# EAGLE board Mk4 Final a Panel score 2x5 (EAGLE 9.0.1), part 14 of 29
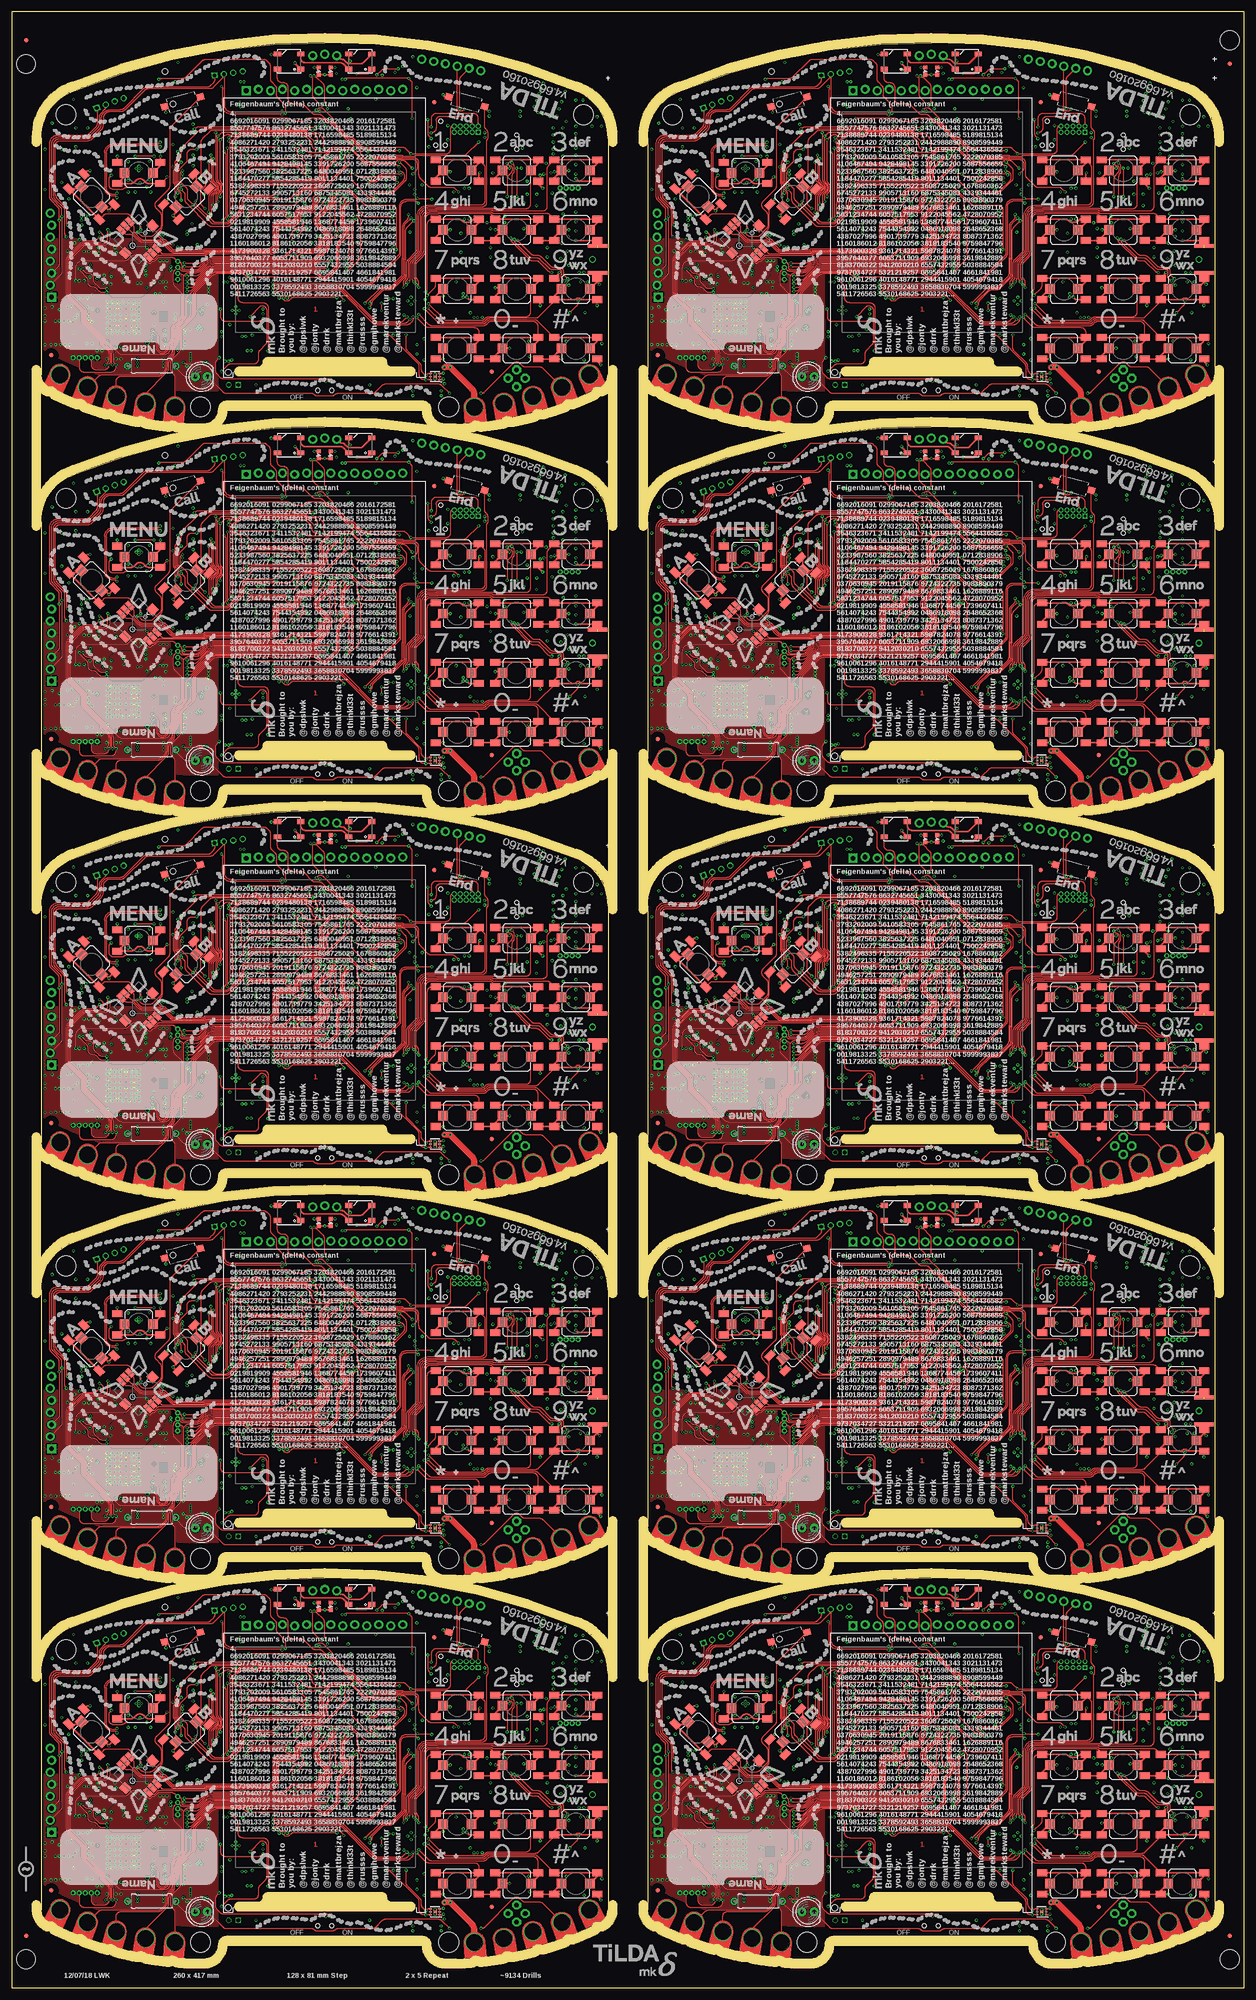
[diagram p0: board, top side]
## Tracks (layer width: path | path; a pad name or v marks a point on that pad's centre or on a via) (continued)
GND1  (via drill 0.3)  (1 unrouted) (continued)
  pour GND@3 (isolate 0.254, rank 6): 134.2,68.5 134.2,15 arc31 166,6 168.7,6 arc90 171.5,8.8 arc-90 173.5,10.8 214.5,10.8 arc-90 216.5,8.8 arc90 219.3,6 222,6 arc31 253.8,15 253.8,38.5 247.5,38.5 247.5,68.5 253.8,68.5 arc64 247.25,76.25 arc24 194,86.5 arc24 140.75,76.25 arc55
  pour Bottom (rank 6): 201.25,42.9 201.25,44.25 201,44.5 191,44.5 190.75,44.25 190.75,42.9
  pour Bottom (isolate 0.254, rank 6): 134.2,68.5 134.2,22 arc9 145,17 145,29 147,29 147,35 145,35 145,37 arc90 144,38 143,38 arc-90 142,39 142,59.71 arc-90 154.79,72.5 162.5,72.5 166,76 224.5,75.5 arc-90 227,73 227,38.5 238.09,38.5 arc-45 238.79,38.21 241.21,35.79 arc45 241.91,35.5 253.8,35.5 253.8,38.5 247.5,38.5 247.5,68.5 253.8,68.5 arc64 247.25,76.25 arc24 194,86.5 arc24 140.75,76.25 arc55
  pour Bottom (rank 2, no thermals): 235.5,39 237,39 237,36.5 236.41,36.5 arc45 235.71,36.21 235.29,35.79 arc45 235,35.09 235,33 arc-90 234,32 223.5,32 arc-90 222.5,33 arc-90 223.5,34 231.75,34 arc90 232.75,35 232.75,35.09 arc-45 233.04,35.79 233.71,36.46 arc-45 234.41,36.75 234.59,36.75 arc45 235.29,37.04 235.5,37.25
  pour Bottom (no thermals): 185.5,45.5 185.5,44.2 185.3,44 185.2,44 185,44.2 185,45.25 184.5,45.75 184.5,47.3 184.7,47.5 185.05,47.5 185.25,47.3 185.25,45.75
  pour Bottom: 157.55,54.95 157.55,60.95 arc90 156.55,61.95 153.05,61.95 arc90 152.05,60.95 152.05,54.95 arc90 153.05,53.95 156.55,53.95 arc90
  pour Bottom (no thermals): 171.4,33 171.4,34.1 171.2,34.3 171.2,35.05 171,35.25 169.75,35.25 169.25,34.75 169.25,33.25 169.5,33
  pour Bottom (no thermals): 165.9,20.8 165.9,18.3 arc-90 165.4,17.8 164.45,17.8 arc-90 163.95,18.3 163.95,25.65 arc-90 164.45,26.15 165.55,26.15 arc-90 166.05,25.65 166.05,22.1 arc90 166.55,21.6 167.8,21.6 167.85,21.55 167.85,20.9 167.75,20.8
  pour Top (rank 6): 134.2,45 134.2,22 arc34 171,13 171.5,13 171.5,45
GND2  (via drill 0.3)  (1 unrouted)
  Top 0.15: IC52.3 90.3,97.65 90.25,97.6 IC52.2 | v89.3,96.5 IC52.PAD v89.3,97.5
  Top 0.2: 90.3,97.65 90.95,97.65 v91.05,97.75
  Top 0.3: S49.1 101.95,113.95 S49.A1 | S45.A1 89.45,113.95 S45.1 v91,114 | S46.A1 89.45,101 89.7,100.75 v91,100.75 S46.1 | S54.1 114.45,101.45 S54.A1 | S53.1 123.55,117.05 S53.A1 | 114.45,138.5 114.45,138.95 S51.1 v117.5,140.5 | 114.45,138.5 S51.A1 | S47.A1 101.95,138.95 S47.1 104,141 v105,141 | S43.A1 89.45,138.95 S43.1 92.25,140.5 v92.5,140.25 | S44.A1 89.45,126.45 S44.1 v92.5,128 | 101.95,126 101.95,126.45 S48.1 v102.05,128 | 101.95,126 S48.A1 | S43.A2 98.55,139.8 v98.75,140 | 114.2,138.25 114.45,138.5 | S52.A2 v119,125.75 | v117.5,128 S52.1 114.45,126.45 S52.A1 S48.A2 | 98.5,113.3 S45.A2 96.5,113.25 v96,113.75 | S49.1 103,116 | S54.A2 123.5,100.75 123.5,100.25 v124.25,99.5 | S50.A2 S54.A1 | v105,103 S50.1 101.95,101.45 S50.A1 S46.A2 | S44.A2 101.7,125.75 101.95,126 | S59.1 91.49,156.01 v91,156.5 | LED15.C v66.03,160.75 LED16.C | LED13.3 55.95,165 v54.75,165 | S51.A2 119.91,138.25 arc-45 119.21,138.54 v119,138.75 | 21.61,133.39 S56.A1 20.5,132.26 v20.5,132 19.62,132.88 S56.1 | S56.A2 15.57,140.21 arc-45 16.28,140.5 v16.5,140.5 | S54.A1 v116,100.75 | S47.A2 111.05,137.7 v112,136.75 | S49.1 103.25,115.75 v102,115.75 | S49.A2 111.5,112.8 v111.5,112 | S57.A2 v22.25,143.5 | S57.1 31.35,141.55 S57.A1 v31.35,143.5 | S58.1 32.5,153.72 v32.5,152.75 | S55.A1 34.81,130.19 v34,131 34.68,131.68 S55.1 | v40.5,135.5 41.61,136.61 S55.A2 | LED14.3 71.05,164.36 arc45 71.34,163.66 v71.4,163.6 | S53.A2 115.5,118.8 v115.5,119 | S53.A1 123.55,116.95 v124,116.5 | S53.A1 123.53,117.77 J29.G@4
  Top 0.4: S52.A2 123.53,125.73 J29.G@3
  GND@3 0.4: v28.45,115.85 25.8,113.2 v25.8,112.85 | v23.5,118.5 22.75,117.75 22.75,113.6 v23.5,112.85 | v21,118.1 21.75,117.35 21.75,113.4 v22.3,112.85
  Bottom 0.15: J21.32 62.75,125.25 | J21.31 63.25,125 | J21.30 63.75,125 | J21.29 64.25,125 | J21.28 64.75,125 | J21.27 65.25,125 | J21.26 65.75,125 | J21.25 66.25,125 | J21.24 66.75,125 | J21.23 67.25,125 | J21.22 67.75,125 | J21.21 68.25,125 | J21.20 68.75,125 | J21.19 69.25,125 | J21.18 69.75,125 | J21.17 70.25,125 | J21.16 70.75,125 | J21.15 71.25,125 | J21.14 71.75,125 | J21.13 72.25,125 | J21.12 72.75,125 | J21.11 73.25,125 | IC38.58 v59.6,143.8 | IC38.55 v59.6,142.6 | IC41.3 81.05,161 v80.85,161.2 | ANT6.3 112.79,158.9 v112.15,158.9 | v111.7,157.75 111.8,157.65 111.94,157.65 111.84,157.75 v111.7,157.75 | ANT6.2 112.05,157.4 v111.7,157.75 | ANT6.4 116.28,157.2 v116.75,157.2 | IC47.PAD v24.1,110.1 | IC47.PAD v22.9,110.1 | IC47.PAD v22.9,108.9 | IC47.PAD v24.1,108.9 | v22.9,111.3 23.5,111.9 v23.5,112.85 | v22.3,112.85 22.3,111.9 v21.7,111.3 21.75,111.35 | v25.3,111.3 25.3,112.35 v25.8,112.85 | v81.5,105.75 C318.2 82,106.5 arc90 82.5,107 82.5,107.5 arc90 82,108 IC50.2 81.46,108 arc45 81.1,107.85 80.9,107.65 arc-45 80.54,107.5 IC50.4 | C320.2 90.45,97.5 | v107.25,153 C269.2 | C272.2 v107.25,152 | C270.2 v100.75,153 | C268.2 v100.75,152 | v24.55,142.4 24.25,142.7 R233.2
  Bottom 0.2: C231.1 68.6,130.85 IC38.10 | IC38.17 65.8,131.01 arc-45 65.65,130.65 C230.1 v65.5,129.75 | IC38.48 57.46,139.8 arc-45 C228.1 | IC38.114 74.74,139.4 arc45 75.44,139.69 C227.1 | IC38.80 65.8,149.05 65.97,149.22 | X12.4 13.88,108.42 13.7,108.6 v12.9,108.6 | X12.2 15.73,104.08 v15.8,104 | IC49.23 81.8,113.75 arc-45 81.66,113.81 81.25,114.22 arc-90 81.25,114.25 | 81.25,114.25 v81.25,114.5 | IC49.24 81.25,114.25 | IC49.18 83,110.25 v82.75,110 | IC49.9 v87.25,113.25 | IC42.17 46.5,108.5 v46,108 IC42.18 | J24.GND4 117,103.05 | 90.45,97.5 arc45 v91.05,97.75 | v31.3,144.5 C322.2 | IC44.4 87.97,144.72 C287.1
  Bottom 0.25: J21.50 53.75,124.45 v54.25,124.95 | J21.49 v54.25,124.95 | J21.48 54.75,124.45 v54.25,124.95 | J21.43 57.25,125 | J21.6 v75.75,122.5 | v68,127.75 68,128.62 C232.1 68.25,129.12 C231.1 | v56,140.1 C228.1 | v76.25,139.75 C227.1 | v66,150 C229.1 65.97,149.22 | C226.1 C234.1 v67,151.45 | v55,144.25 R165.2 | C233.1 65.05,151.25 v65.65,150.65 | v75.5,95.25 S61.1 | v51.5,95.25 S62.1 | C237.1 v62.7,150 | C236.1 v58.1,150 | v71.5,151.45 C235.1 | R227.2 v25.25,102.75 | v27.35,140.95 IC46.PAD v26.8,140.5 | C252.2 38.88,102.22 | v85.45,158 C223.1 | v68.5,161 C221.1
  Bottom 0.3: 77.45,161.3 v78.15,160.6 | v32,114 R226.2 | v14.25,117.25 C295.1 | v16.5,118 16.62,117.88 C300.2 | v96.5,130.25 C278.2 | v95.5,130.25 C275.2 | v96.5,136.75 C274.2 | C276.2 v95.5,136.75 | IC39.8 100.1,129.65 v100.25,129.5 | R200.2 v94.75,127.25 | R192.2 v94.75,121.25 | R199.2 v94.75,123.25 | IC39.13 102.1,135.65 v102.25,135.5 | IC39.21 110.9,135.65 v110.75,135.5 | Q11.2 94.65,117.15 R190.2 v93.75,117 | C287.1 v88,145.5 | v92,147 91.91,147.09 JP19.5 | C280.1 v99.75,148.5 | IC45.7 93.19,136.81 R211.1 v93.25,136 | v101.5,140 C265.1 | v105,141 104.5,140.5 C264.1 | C263.1 v107.5,141 | J24.GND3 111.21,113.06 arc-45 111.5,112.36 v111.5,112 | 123.38,115.5 J24.GND2 123.5,115.59 arc-45 123.79,116.29 v124,116.5 | 124.17,113 J24.C4 123.79,112.74 arc45 123.5,112.04 v123.5,112 | v124.5,104 124.38,104 J24.GND1 | v109.25,101.25 R215.2 110.92,101.25 Q10.2 | C266.1 v120.75,100.5 | J24.C5 116.85,104.65 v117,104.5 117,103.05 | v109,104.5 109.23,104.27 110.25,104.27 J24.GND6 | C220.1 v76.25,134 | C225.1 v79,137.25 | C224.1 v79,138.5 | Q9.4 Q9.EP2 | C246.1 v51.5,129.25 | IC37.28 37.07,129.25 v38,129.25 | C242.1 v34,141.25 | IC37.46 38.2,143.7 v38.25,143.75 | C245.1 v34,146 | IC37.54 37.89,150.1 arc45 v38.25,150.25 | IC37.52 v38.25,148.5 | C244.1 v50.75,150.75 | C240.1 v51.5,148.5 | IC37.6 47.4,146.1 v47.25,146.25 | C241.1 v51.5,143.75 | C243.1 v51.5,139.75 | R175.1 v53,110.25 | R177.2 v53,111.25 | R179.2 48.15,116.5 arc45 v48.75,116.75 | v32,127 C261.1 | v32.75,127 32.75,126.5 C261.1 | v31.25,127 31.25,126.5 C261.1 | IC37.12 47.3,141.3 v47.25,141.25 | R219.2 v15.25,123.45 | R220.2 v16.25,123.45 | R207.2 v85,135.5 | v26.05,135.95 C293.2 | v108.75,135.5 108.7,135.55 IC39.19 108.7,138.2 v108.75,138.25
  Bottom 0.3: R217.2 35.95,102.5 v36.2,102.75 | IC49.25 v83.5,113 | v66.6,153.55 66.67,153.55 X10.4 | X10.2 70.83,153.55 v70.95,153.55 | v82.5,162.5 C238.1 | v84.6,164.5 R169.2 | C222.1 v76.75,155.5 | C279.1 v83.9,137.45 | J26.8 J26.4 | J28.8 J28.4 | IC37.41 36.05,139.7 v36,139.75 | J24.GND5 117.11,115.91 v117.5,116.3 116.94,116.3 arc-45 116.23,116.59 IC43.3 | IC39.33 113.3,121.95 v113,122.25 | v117.45,126.6 C281.1 | v116.7,121.5 D6.2 | v116.7,122.5 C282.1 | v11.75,111.75 C285.1 | v8.5,111.75 C286.1 | 32.55,117.8 C303.2 31.95,117.8 | IC53.2 v90.6,94 | C323.2 v84.6,93 | IC53.3 v90.6,93 | v113,124.25 113.1,124.15 IC39.31
  Bottom 0.35: v32.55,117 32.55,117.8 | v31.95,117 31.95,117.8
  Bottom 0.4: C305.2 28.1,115.5 v28.45,115.85 | v31.25,114.5 C299.2 | v32,112.75 C311.2 | C301.2 28.12,120.62 v28.25,120.5 | C301.2 v27.25,121.75 | v26,121.75 C302.2 C301.2 | C306.2 22.9,117.9 v23.5,118.5 23.4,118.4 | C304.2 v21,118.1 | v19.5,118.4 20.1,117.8 C298.2 | v34.5,109.25 C316.1 | v34.5,110.25 C317.1 | v32.25,105.75 C312.2 | C308.2 v30,108 | C294.1 v21.75,124.25 | C314.1 v16.95,108.5 | C310.2 v16.25,109.25 | C296.2 v16.25,110.25 | C315.1 v16.95,104 | R218.2 v18,102.5 | R221.2 v19,102.5 | R228.2 v20,100.75 | C313.2 v23,100.75 | C307.2 v22,100.75 | v32.5,115.75 C309.2 31.4,116.64 arc45 v31.25,117 | IC48.4 15.12,129.16 arc45 v14.75,129 | v32.25,103.75 R185.2 | v79.5,113.5 C239.1 | v44.25,105.5 44.85,105.5 C259.2 44.85,106.5 v44.25,106.5 | S60.2 65.4,96 v66.25,96 | Q9.EP2 80.4,124.35 v80.5,124.25 | v80.5,128.25 IC40.4 | 42.75,115.75 C260.2 42.38,115.25 v41.5,115.25 | 42.62,116 v41.5,116 | C256.2 41.6,114.4 v41.5,114.5 | v41.25,112.25 41.25,111.33 C257.1 | 7,108.6 v7,108.75 ANT5.4 | ANT5.3 v7,103.75 | ANT5.2 8.25,104.7 v8.25,103.75 | C262.1 v32,100 | C262.1 31.5,100.75 v32,100.75 | C262.1 31.5,99.25 v32,99.25 | J27.4 34.94,158.81 v34.5,159.25 | C219.2 59.88,161.62 v59.75,161.75 | IC54.3 93.26,95.15 arc-45 92.56,95.44 C324.2 91.68,95.68 arc-45 v91.25,95.5 | TP55.TP 37.75,107.1 v37.6,106.95
  Bottom 0.5: v18.35,123.05 18.35,122.5 C297.2 17.35,122.5 v17.35,123.05
  Bottom 1: J22.1 87.05,101.8 C254.2 | C254.2 85.6,101.85 v85.5,101.75 | C254.2 v87,100.5 | v52.35,107 C255.2 50.65,105.85 v50.75,105.75
  other vias: 63.25,125.25 72.75,125.25 56.9,128.15 26.8,141.4 26.25,140.95 116.7,135.1 116.35,131.35 116,155 115.5,153.5 115,152 113.5,152 112,152.5 111,152.75 110.25,154 110.75,155.25 111.25,156.75 21.7,110.1 21.7,108.9 21.7,107.7 22.9,107.7 24.1,107.7 25.3,107.7 25.3,108.9 25.3,110.1 24.1,111.3 17,114.25 17,111.35 13,106.2 12.25,103.75 11.25,103.75 10.25,103.75 9.25,103.75 12,108.75 11,108.75 10,108.75 9.2,108.75 85,113 84.25,113.75 84.25,112.25 95.25,114.5 95.25,113.75 120,117 119,127.75 119,129.65 119,131.75 119,133.75 119,139.75 119,141.75 119,143.75 119,148.25 119,149.85 122.4,149.85 124.4,149.85 47.25,111 48,111 47.25,111.75 47.25,110.25 46.5,111 29.3,135.95 24.55,135.95 24.55,138.45 29.05,138.55 29.05,142.45 37.7,101.85 37.7,101.35 37.7,100.35 37.7,100.85 36.9,99.25 37.6,99.25 36.6,106.95 36.5,105.95 36.5,103.75 36.5,104.55 20.75,110.1 20.75,108.9 20.75,107.7 20.75,111.3 26.25,110.1 26.25,108.9 26.25,107.7 26.25,111.3 21.7,106.75 22.9,106.75 24.1,106.75 25.3,106.75 21.7,112.25 22.9,112.25 24.1,112.25 25.3,112.25 26.25,106.75 26.25,112.25 20.75,112.25 20.75,106.75 24.7,112.85 21.2,112.85 20.15,112.85 20.15,111.8 23.5,106.15 24.7,106.15 25.9,106.15 22.3,106.15 21.2,106.15 26.85,109.45 26.85,108.25 26.85,107.05 26.85,110.65 20.15,109.5 20.15,108.3 20.15,107.2 20.15,110.7 26.85,111.75 26.85,112.85 26.85,106.15 20.15,106.15 120.7,119 119.7,119 121.5,117 116,125.2 10.5,145 10.5,138 13.5,145.5 13.5,149.5 16,149.5 13,155.5 8.5,150.5 7,145 7,136.5 12,134.5 13.25,125.25 7,111.5 104,122.25 101,122.25 101,124.25 101,128.25 108,128.25 110.7,133.1 108,133.75 114,135.75 117.5,120.5 117.25,123.5 119,145.25 119,146.75 117,150.85 119,155.35 123.5,151.85 120.5,155.35 115.85,121.95 119,120.5 12.6,111.95 13.35,109.45 13.85,109.95 16,111.7 15,113.7 16,113.7 14.1,113.6 116.25,149.5 114.25,149.5 116.25,148 114.25,148 116.25,146.5 114.25,146.5 116.25,145 114.25,145 116.25,143.5 114.25,144 112.75,142 112.25,139.75 111.5,139.5 113.75,140 114.5,140.25 116,142 11.75,123.5 10,111.15 7,109.85 104,133.25 104,129.5 104,130.9
  pour GND@3 (isolate 0.254, rank 6): 6.2,149.5 6.2,96 arc31 38,87 40.7,87 arc90 43.5,89.8 arc-90 45.5,91.8 86.5,91.8 arc-90 88.5,89.8 arc90 91.3,87 94,87 arc31 125.8,96 125.8,119.5 119.5,119.5 119.5,149.5 125.8,149.5 arc64 119.25,157.25 arc24 66,167.5 arc24 12.75,157.25 arc55
  pour Bottom (rank 6): 73.25,123.9 73.25,125.25 73,125.5 63,125.5 62.75,125.25 62.75,123.9
  pour Bottom (isolate 0.254, rank 6): 6.2,149.5 6.2,103 arc9 17,98 17,110 19,110 19,116 17,116 17,118 arc90 16,119 15,119 arc-90 14,120 14,140.71 arc-90 26.79,153.5 34.5,153.5 38,157 96.5,156.5 arc-90 99,154 99,119.5 110.09,119.5 arc-45 110.79,119.21 113.21,116.79 arc45 113.91,116.5 125.8,116.5 125.8,119.5 119.5,119.5 119.5,149.5 125.8,149.5 arc64 119.25,157.25 arc24 66,167.5 arc24 12.75,157.25 arc55
  pour Bottom (rank 2, no thermals): 107.5,120 109,120 109,117.5 108.41,117.5 arc45 107.71,117.21 107.29,116.79 arc45 107,116.09 107,114 arc-90 106,113 95.5,113 arc-90 94.5,114 arc-90 95.5,115 103.75,115 arc90 104.75,116 104.75,116.09 arc-45 105.04,116.79 105.71,117.46 arc-45 106.41,117.75 106.59,117.75 arc45 107.29,118.04 107.5,118.25
  pour Bottom (no thermals): 57.5,126.5 57.5,125.2 57.3,125 57.2,125 57,125.2 57,126.25 56.5,126.75 56.5,128.3 56.7,128.5 57.05,128.5 57.25,128.3 57.25,126.75
  pour Bottom: 29.55,135.95 29.55,141.95 arc90 28.55,142.95 25.05,142.95 arc90 24.05,141.95 24.05,135.95 arc90 25.05,134.95 28.55,134.95 arc90
  pour Bottom (no thermals): 43.4,114 43.4,115.1 43.2,115.3 43.2,116.05 43,116.25 41.75,116.25 41.25,115.75 41.25,114.25 41.5,114
  pour Bottom (no thermals): 37.9,101.8 37.9,99.3 arc-90 37.4,98.8 36.45,98.8 arc-90 35.95,99.3 35.95,106.65 arc-90 36.45,107.15 37.55,107.15 arc-90 38.05,106.65 38.05,103.1 arc90 38.55,102.6 39.8,102.6 39.85,102.55 39.85,101.9 39.75,101.8
  pour Top (rank 6): 6.2,126 6.2,103 arc34 43,94 43.5,94 43.5,126
GND3  (via drill 0.3)  (1 unrouted)
  Top 0.15: IC70.3 218.3,97.65 218.25,97.6 IC70.2 | v217.3,96.5 IC70.PAD v217.3,97.5
  Top 0.2: 218.3,97.65 218.95,97.65 v219.05,97.75
  Top 0.3: S70.1 229.95,113.95 S70.A1 | S66.A1 217.45,113.95 S66.1 v219,114 | S67.A1 217.45,101 217.7,100.75 v219,100.75 S67.1 | S75.1 242.45,101.45 S75.A1 | S74.1 251.55,117.05 S74.A1 | 242.45,138.5 242.45,138.95 S72.1 v245.5,140.5 | 242.45,138.5 S72.A1 | S68.A1 229.95,138.95 S68.1 232,141 v233,141 | S64.A1 217.45,138.95 S64.1 220.25,140.5 v220.5,140.25 | S65.A1 217.45,126.45 S65.1 v220.5,128 | 229.95,126 229.95,126.45 S69.1 v230.05,128 | 229.95,126 S69.A1 | S64.A2 226.55,139.8 v226.75,140 | 242.2,138.25 242.45,138.5 | S73.A2 v247,125.75 | v245.5,128 S73.1 242.45,126.45 S73.A1 S69.A2 | 226.5,113.3 S66.A2 224.5,113.25 v224,113.75 | S70.1 231,116 | S75.A2 251.5,100.75 251.5,100.25 v252.25,99.5 | S71.A2 S75.A1 | v233,103 S71.1 229.95,101.45 S71.A1 S67.A2 | S65.A2 229.7,125.75 229.95,126 | S80.1 219.49,156.01 v219,156.5 | LED21.C v194.03,160.75 LED22.C | LED19.3 183.95,165 v182.75,165 | S72.A2 247.91,138.25 arc-45 247.21,138.54 v247,138.75 | 149.61,133.39 S77.A1 148.5,132.26 v148.5,132 147.62,132.88 S77.1 | S77.A2 143.57,140.21 arc-45 144.28,140.5 v144.5,140.5 | S75.A1 v244,100.75 | S68.A2 239.05,137.7 v240,136.75 | S70.1 231.25,115.75 v230,115.75 | S70.A2 239.5,112.8 v239.5,112 | S78.A2 v150.25,143.5 | S78.1 159.35,141.55 S78.A1 v159.35,143.5 | S79.1 160.5,153.72 v160.5,152.75 | S76.A1 162.81,130.19 v162,131 162.68,131.68 S76.1 | v168.5,135.5 169.61,136.61 S76.A2 | LED20.3 199.05,164.36 arc45 199.34,163.66 v199.4,163.6 | S74.A2 243.5,118.8 v243.5,119 | S74.A1 251.55,116.95 v252,116.5 | S74.A1 251.53,117.77 J39.G@4
  Top 0.4: S73.A2 251.53,125.73 J39.G@3
  GND@3 0.4: v156.45,115.85 153.8,113.2 v153.8,112.85 | v151.5,118.5 150.75,117.75 150.75,113.6 v151.5,112.85 | v149,118.1 149.75,117.35 149.75,113.4 v150.3,112.85
  Bottom 0.15: J31.32 190.75,125.25 | J31.31 191.25,125 | J31.30 191.75,125 | J31.29 192.25,125 | J31.28 192.75,125 | J31.27 193.25,125 | J31.26 193.75,125 | J31.25 194.25,125 | J31.24 194.75,125 | J31.23 195.25,125 | J31.22 195.75,125 | J31.21 196.25,125 | J31.20 196.75,125 | J31.19 197.25,125 | J31.18 197.75,125 | J31.17 198.25,125 | J31.16 198.75,125 | J31.15 199.25,125 | J31.14 199.75,125 | J31.13 200.25,125 | J31.12 200.75,125 | J31.11 201.25,125 | IC56.58 v187.6,143.8 | IC56.55 v187.6,142.6 | IC59.3 209.05,161 v208.85,161.2 | ANT8.3 240.79,158.9 v240.15,158.9 | v239.7,157.75 239.8,157.65 239.94,157.65 239.84,157.75 v239.7,157.75 | ANT8.2 240.05,157.4 v239.7,157.75 | ANT8.4 244.28,157.2 v244.75,157.2 | IC65.PAD v152.1,110.1 | IC65.PAD v150.9,110.1 | IC65.PAD v150.9,108.9 | IC65.PAD v152.1,108.9 | v150.9,111.3 151.5,111.9 v151.5,112.85 | v150.3,112.85 150.3,111.9 v149.7,111.3 149.75,111.35 | v153.3,111.3 153.3,112.35 v153.8,112.85 | v209.5,105.75 C426.2 210,106.5 arc90 210.5,107 210.5,107.5 arc90 210,108 IC68.2 209.46,108 arc45 209.1,107.85 208.9,107.65 arc-45 208.54,107.5 IC68.4 | C428.2 218.45,97.5 | v235.25,153 C377.2 | C380.2 v235.25,152 | C378.2 v228.75,153 | C376.2 v228.75,152 | v152.55,142.4 152.25,142.7 R311.2
  Bottom 0.2: C339.1 196.6,130.85 IC56.10 | IC56.17 193.8,131.01 arc-45 193.65,130.65 C338.1 v193.5,129.75 | IC56.48 185.46,139.8 arc-45 C336.1 | IC56.114 202.74,139.4 arc45 203.44,139.69 C335.1 | IC56.80 193.8,149.05 193.97,149.22 | X16.4 141.88,108.42 141.7,108.6 v140.9,108.6 | X16.2 143.72,104.08 v143.8,104 | IC67.23 209.8,113.75 arc-45 209.66,113.81 209.25,114.22 arc-90 209.25,114.25 | 209.25,114.25 v209.25,114.5 | IC67.24 209.25,114.25 | IC67.18 211,110.25 v210.75,110 | IC67.9 v215.25,113.25 | IC60.17 174.5,108.5 v174,108 IC60.18 | J34.GND4 245,103.05 | 218.45,97.5 arc45 v219.05,97.75 | v159.3,144.5 C430.2 | IC62.4 215.97,144.72 C395.1
  Bottom 0.25: J31.50 181.75,124.45 v182.25,124.95 | J31.49 v182.25,124.95 | J31.48 182.75,124.45 v182.25,124.95 | J31.43 185.25,125 | J31.6 v203.75,122.5 | v196,127.75 196,128.62 C340.1 196.25,129.12 C339.1 | v184,140.1 C336.1 | v204.25,139.75 C335.1 | v194,150 C337.1 193.97,149.22 | C334.1 C342.1 v195,151.45 | v183,144.25 R243.2 | C341.1 193.05,151.25 v193.65,150.65 | v203.5,95.25 S82.1 | v179.5,95.25 S83.1 | C345.1 v190.7,150 | C344.1 v186.1,150 | v199.5,151.45 C343.1 | R305.2 v153.25,102.75 | v155.35,140.95 IC64.PAD v154.8,140.5 | C360.2 166.88,102.22 | v213.45,158 C331.1 | v196.5,161 C329.1
  Bottom 0.3: 205.45,161.3 v206.15,160.6 | v160,114 R304.2 | v142.25,117.25 C403.1 | v144.5,118 144.62,117.88 C408.2 | v224.5,130.25 C386.2 | v223.5,130.25 C383.2 | v224.5,136.75 C382.2 | C384.2 v223.5,136.75 | IC57.8 228.1,129.65 v228.25,129.5 | R278.2 v222.75,127.25 | R270.2 v222.75,121.25 | R277.2 v222.75,123.25 | IC57.13 230.1,135.65 v230.25,135.5 | IC57.21 238.9,135.65 v238.75,135.5 | Q15.2 222.65,117.15 R268.2 v221.75,117 | C395.1 v216,145.5 | v220,147 219.91,147.09 JP28.5 | C388.1 v227.75,148.5 | IC63.7 221.19,136.81 R289.1 v221.25,136 | v229.5,140 C373.1 | v233,141 232.5,140.5 C372.1 | C371.1 v235.5,141 | J34.GND3 239.21,113.06 arc-45 239.5,112.36 v239.5,112 | 251.38,115.5 J34.GND2 251.5,115.59 arc-45 251.79,116.29 v252,116.5 | 252.17,113 J34.C4 251.79,112.74 arc45 251.5,112.04 v251.5,112 | v252.5,104 252.38,104 J34.GND1 | v237.25,101.25 R293.2 238.93,101.25 Q14.2 | C374.1 v248.75,100.5 | J34.C5 244.85,104.65 v245,104.5 245,103.05 | v237,104.5 237.23,104.27 238.25,104.27 J34.GND6 | C328.1 v204.25,134 | C333.1 v207,137.25 | C332.1 v207,138.5 | Q13.4 Q13.EP2 | C354.1 v179.5,129.25 | IC55.28 165.07,129.25 v166,129.25 | C350.1 v162,141.25 | IC55.46 166.2,143.7 v166.25,143.75 | C353.1 v162,146 | IC55.54 165.89,150.1 arc45 v166.25,150.25 | IC55.52 v166.25,148.5 | C352.1 v178.75,150.75 | C348.1 v179.5,148.5 | IC55.6 175.4,146.1 v175.25,146.25 | C349.1 v179.5,143.75 | C351.1 v179.5,139.75 | R253.1 v181,110.25 | R255.2 v181,111.25 | R257.2 176.15,116.5 arc45 v176.75,116.75 | v160,127 C369.1 | v160.75,127 160.75,126.5 C369.1 | v159.25,127 159.25,126.5 C369.1 | IC55.12 175.3,141.3 v175.25,141.25 | R297.2 v143.25,123.45 | R298.2 v144.25,123.45 | R285.2 v213,135.5
  Bottom 0.3: v154.05,135.95 C401.2 | v236.75,135.5 236.7,135.55 IC57.19 236.7,138.2 v236.75,138.25 | R295.2 163.95,102.5 v164.2,102.75 | IC67.25 v211.5,113 | v194.6,153.55 194.68,153.55 X14.4 | X14.2 198.82,153.55 v198.95,153.55 | v210.5,162.5 C346.1 | v212.6,164.5 R247.2 | C330.1 v204.75,155.5 | C387.1 v211.9,137.45 | J36.8 J36.4 | J38.8 J38.4 | IC55.41 164.05,139.7 v164,139.75 | J34.GND5 245.11,115.91 v245.5,116.3 244.94,116.3 arc-45 244.23,116.59 IC61.3 | IC57.33 241.3,121.95 v241,122.25 | v245.45,126.6 C389.1 | v244.7,121.5 D8.2 | v244.7,122.5 C390.1 | v139.75,111.75 C393.1 | v136.5,111.75 C394.1 | 160.55,117.8 C411.2 159.95,117.8 | IC71.2 v218.6,94 | C431.2 v212.6,93 | IC71.3 v218.6,93 | v241,124.25 241.1,124.15 IC57.31
  Bottom 0.35: v160.55,117 160.55,117.8 | v159.95,117 159.95,117.8
  Bottom 0.4: C413.2 156.1,115.5 v156.45,115.85 | v159.25,114.5 C407.2 | v160,112.75 C419.2 | C409.2 156.12,120.62 v156.25,120.5 | C409.2 v155.25,121.75 | v154,121.75 C410.2 C409.2 | C414.2 150.9,117.9 v151.5,118.5 151.4,118.4 | C412.2 v149,118.1 | v147.5,118.4 148.1,117.8 C406.2 | v162.5,109.25 C424.1 | v162.5,110.25 C425.1 | v160.25,105.75 C420.2 | C416.2 v158,108 | C402.1 v149.75,124.25 | C422.1 v144.95,108.5 | C418.2 v144.25,109.25 | C404.2 v144.25,110.25 | C423.1 v144.95,104 | R296.2 v146,102.5 | R299.2 v147,102.5 | R306.2 v148,100.75 | C421.2 v151,100.75 | C415.2 v150,100.75 | v160.5,115.75 C417.2 159.4,116.64 arc45 v159.25,117 | IC66.4 143.12,129.16 arc45 v142.75,129 | v160.25,103.75 R263.2 | v207.5,113.5 C347.1 | v172.25,105.5 172.85,105.5 C367.2 172.85,106.5 v172.25,106.5 | S81.2 193.4,96 v194.25,96 | Q13.EP2 208.4,124.35 v208.5,124.25 | v208.5,128.25 IC58.4 | 170.75,115.75 C368.2 170.38,115.25 v169.5,115.25 | 170.62,116 v169.5,116 | C364.2 169.6,114.4 v169.5,114.5 | v169.25,112.25 169.25,111.33 C365.1 | 135,108.6 v135,108.75 ANT7.4 | ANT7.3 v135,103.75 | ANT7.2 136.25,104.7 v136.25,103.75 | C370.1 v160,100 | C370.1 159.5,100.75 v160,100.75 | C370.1 159.5,99.25 v160,99.25 | J37.4 162.94,158.81 v162.5,159.25 | C327.2 187.88,161.62 v187.75,161.75 | IC72.3 221.26,95.15 arc-45 220.56,95.44 C432.2 219.68,95.68 arc-45 v219.25,95.5 | TP74.TP 165.75,107.1 v165.6,106.95
  Bottom 0.5: v146.35,123.05 146.35,122.5 C405.2 145.35,122.5 v145.35,123.05
  Bottom 1: J32.1 215.05,101.8 C362.2 | C362.2 213.6,101.85 v213.5,101.75 | C362.2 v215,100.5 | v180.35,107 C363.2 178.65,105.85 v178.75,105.75
  other vias: 191.25,125.25 200.75,125.25 184.9,128.15 154.8,141.4 154.25,140.95 244.7,135.1 244.35,131.35 244,155 243.5,153.5 243,152 241.5,152 240,152.5 239,152.75 238.25,154 238.75,155.25 239.25,156.75 149.7,110.1 149.7,108.9 149.7,107.7 150.9,107.7 152.1,107.7 153.3,107.7 153.3,108.9 153.3,110.1 152.1,111.3 145,114.25 145,111.35 141,106.2 140.25,103.75 139.25,103.75 138.25,103.75 137.25,103.75 140,108.75 139,108.75 138,108.75 137.2,108.75 213,113 212.25,113.75 212.25,112.25 223.25,114.5 223.25,113.75 248,117 247,127.75 247,129.65 247,131.75 247,133.75 247,139.75 247,141.75 247,143.75 247,148.25 247,149.85 250.4,149.85 252.4,149.85 175.25,111 176,111 175.25,111.75 175.25,110.25 174.5,111 157.3,135.95 152.55,135.95 152.55,138.45 157.05,138.55 157.05,142.45 165.7,101.85 165.7,101.35 165.7,100.35 165.7,100.85 164.9,99.25 165.6,99.25 164.6,106.95 164.5,105.95 164.5,103.75 164.5,104.55 148.75,110.1 148.75,108.9 148.75,107.7 148.75,111.3 154.25,110.1 154.25,108.9 154.25,107.7 154.25,111.3 149.7,106.75 150.9,106.75 152.1,106.75 153.3,106.75 149.7,112.25 150.9,112.25 152.1,112.25 153.3,112.25 154.25,106.75 154.25,112.25 148.75,112.25 148.75,106.75 152.7,112.85 149.2,112.85 148.15,112.85 148.15,111.8 151.5,106.15 152.7,106.15 153.9,106.15 150.3,106.15 149.2,106.15 154.85,109.45 154.85,108.25 154.85,107.05 154.85,110.65 148.15,109.5 148.15,108.3 148.15,107.2 148.15,110.7 154.85,111.75 154.85,112.85 154.85,106.15 148.15,106.15 248.7,119 247.7,119 249.5,117 244,125.2 138.5,145 138.5,138 141.5,145.5 141.5,149.5 144,149.5 141,155.5 136.5,150.5 135,145 135,136.5 140,134.5 141.25,125.25 135,111.5 232,122.25 229,122.25 229,124.25 229,128.25 236,128.25 238.7,133.1 236,133.75 242,135.75 245.5,120.5 245.25,123.5 247,145.25 247,146.75 245,150.85 247,155.35 251.5,151.85 248.5,155.35 243.85,121.95 247,120.5 140.6,111.95 141.35,109.45 141.85,109.95 144,111.7 143,113.7 144,113.7 142.1,113.6 244.25,149.5 242.25,149.5 244.25,148 242.25,148 244.25,146.5 242.25,146.5 244.25,145 242.25,145 244.25,143.5 242.25,144 240.75,142 240.25,139.75 239.5,139.5 241.75,140 242.5,140.25 244,142 139.75,123.5 138,111.15 135,109.85 232,133.25 232,129.5 232,130.9
  pour GND@3 (isolate 0.254, rank 6): 134.2,149.5 134.2,96 arc31 166,87 168.7,87 arc90 171.5,89.8 arc-90 173.5,91.8 214.5,91.8 arc-90 216.5,89.8 arc90 219.3,87 222,87 arc31 253.8,96 253.8,119.5 247.5,119.5 247.5,149.5 253.8,149.5 arc64 247.25,157.25 arc24 194,167.5 arc24 140.75,157.25 arc55